# KiCad board PC110.kicad_pcb (continued)
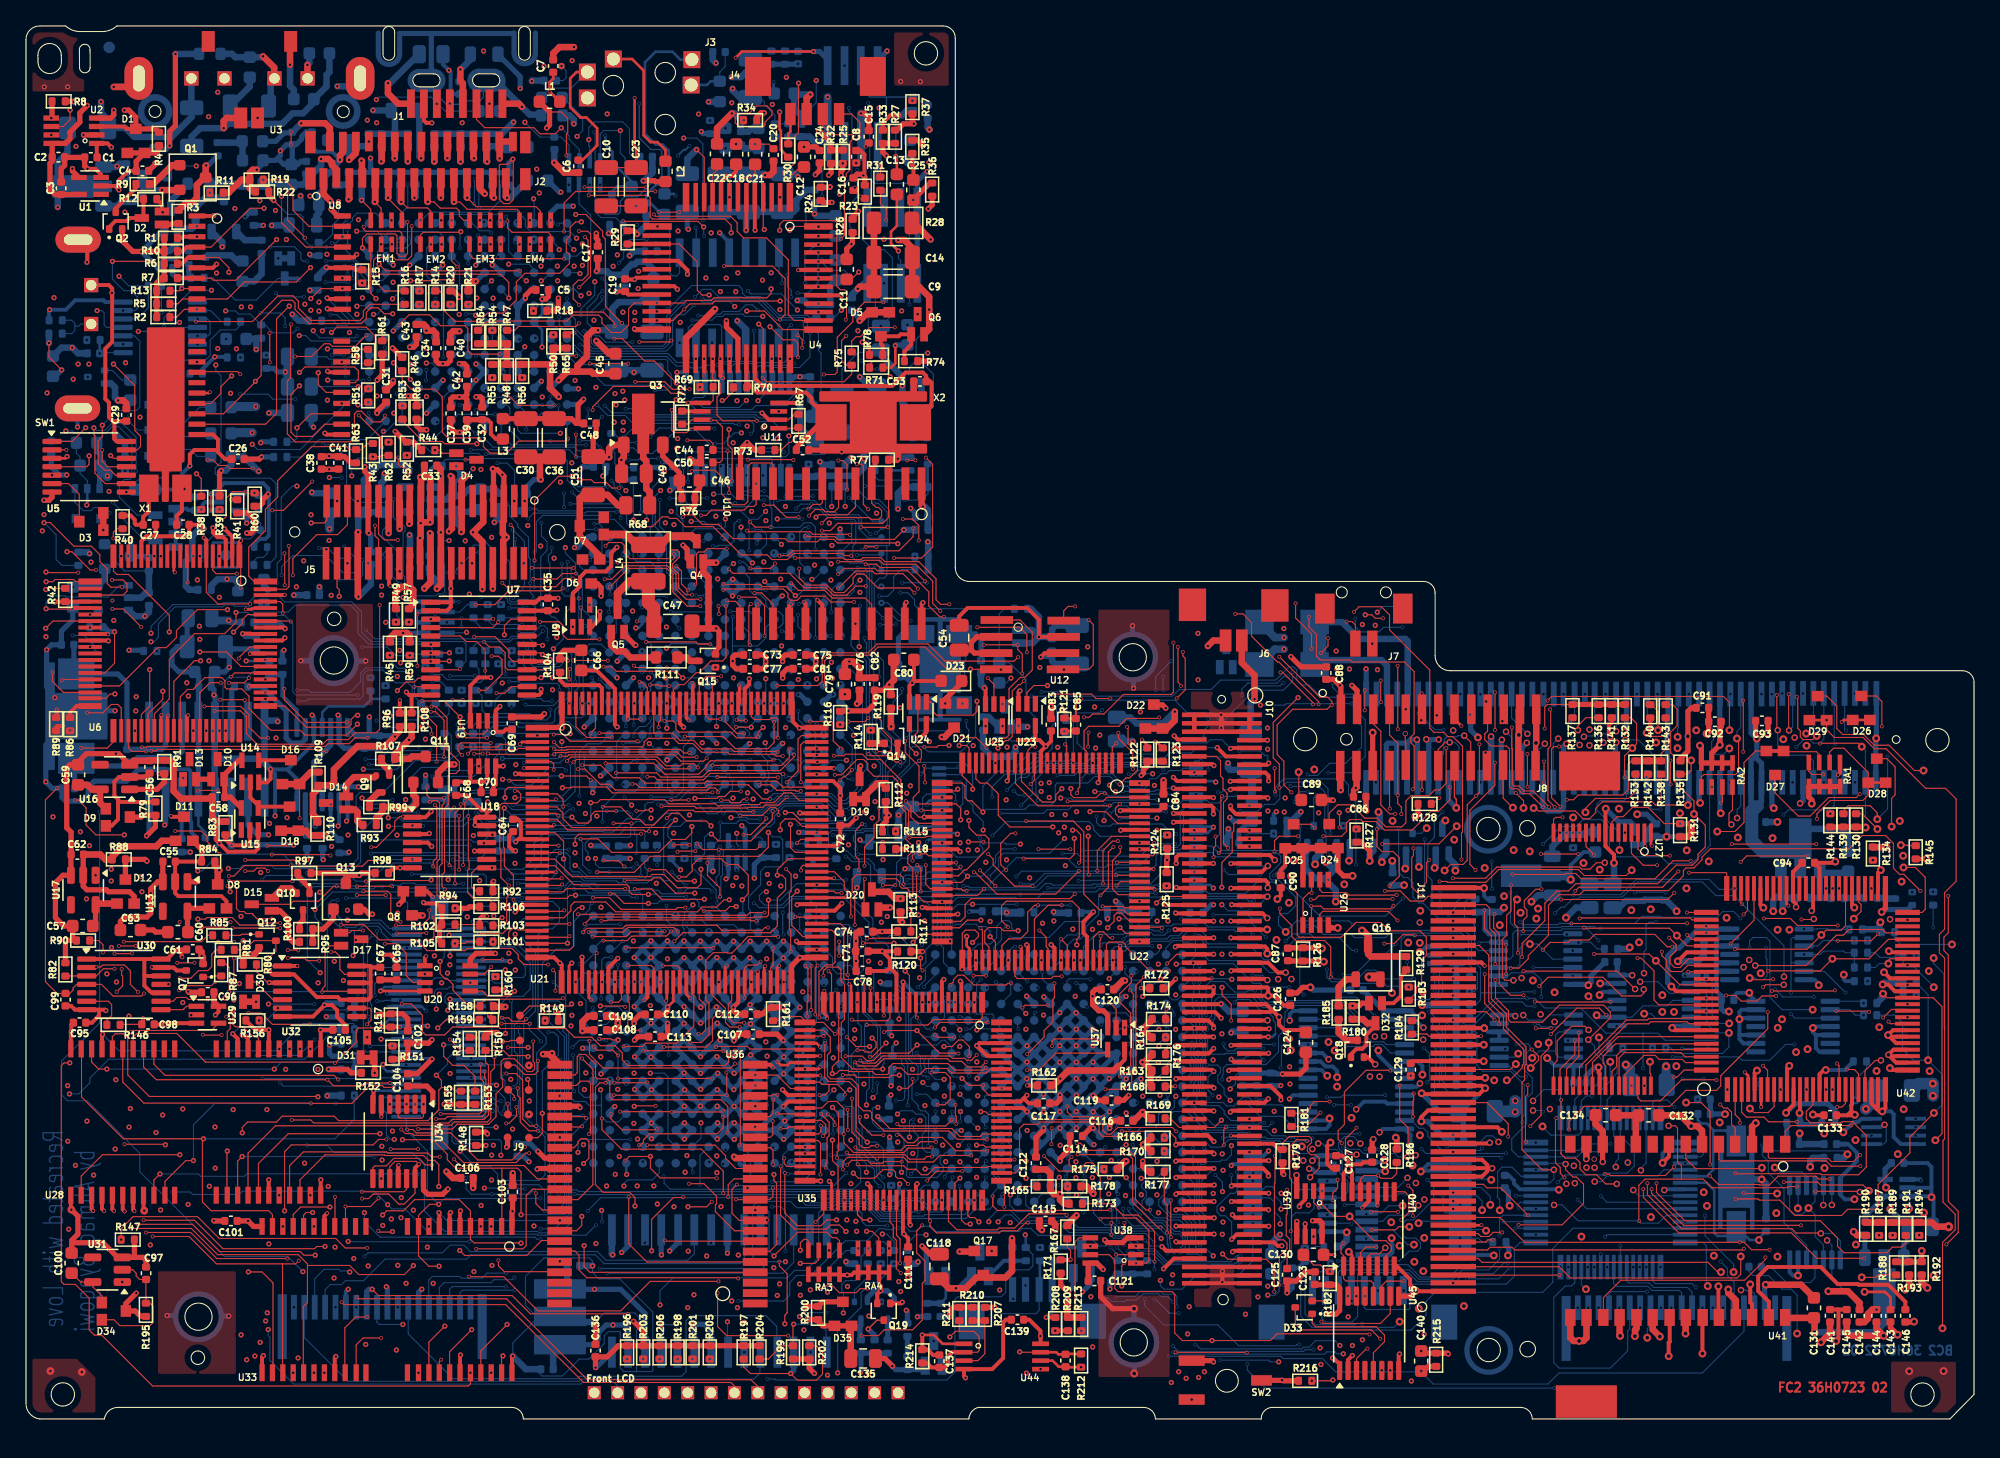
[diagram p0: board, top side]
## Routing (per net, layer and track width the routed paths; a pad name or vN(x,y) marks a point on that pad's centre or on a via; arc(x,y) is an arc through that point) (continued)
  IC4 w0.08: v1(87.96,38.37) 89.78,38.37 90.8,37.35 90.8,27.73 91.04,27.49 91.04,26.66 91.88,25.82 v1(91.88,24.81)
  BC1 w0.08: v1(91.88,24.81) 91.88,24.22 91.95,24.15 91.95,23.52 91.51,23.08 91.51,22.89 90.77,22.15 v7(90.16,22.15)
  BC2 w0.08: 89.08,21.84 89.85,21.84 v7(90.16,22.15)
/PCMCIA/BCIOWR#: length 28.6
  FC2 w0.08: J10.93 87.58,40.26 v1(87.08,39.76)
  IC1 w0.08: v1(82.15,37.73) 82.22,37.73 82.59,37.36 86.01,37.36 86.53,37.88 86.53,38.68 87.08,39.23 v1(87.08,39.76)
  BC1 w0.08: v7(85.57,24.36) 85.57,25 85.13,25.44 84.08,25.44 83.93,25.59 81.69,25.59 81.37,25.91 81.37,27.58 80.41,28.54 80.41,32.93 80.67,33.19 80.96,33.19 81.21,33.44 81.21,35.81 81.59,36.19 81.59,36.7 82.15,37.26 v1(82.15,37.73)
  BC2 w0.08: 85.27,24.38 85.29,24.36 v7(85.57,24.36)
/PCMCIA/BINPACK#: length 35.7
  FC2 w0.08: v3(84.28,26.39) 84.58,26.69 85.03,26.69 85.29,26.95 85.29,32.78 v3(85.04,33.03) ; v1(88.57,21.13) 88.57,21.65 88.48,21.74 88.47,21.74 88.05,22.16 v3(84.43,22.16)
  FC2 w0.3: J10.123 88.65,21.21 v1(88.57,21.13) ; v3(85.87,33.19) R172.1
  FC1 w0.08: v1(88.57,21.13) 89.12,20.58 89.12,18.37 90.11,17.38 v1(91.45,17.38) ; v3(84.28,26.39) 84.28,22.62 84.43,22.47 v3(84.43,22.16) ; v3(85.04,33.03) 85.29,33.03 85.45,33.19 v3(85.87,33.19)
  BC1 w0.08: v1(91.45,17.38) 90.81,17.38 90.44,17.75 88.36,17.75 87.22,16.61 86.66,16.61 86.4,16.35 85.54,16.35 85.1,15.91 84.29,15.91 84.11,16.09 v7(84.11,17.33)
  BC2 w0.2: 84,18.03 84,17.44 v7(84.11,17.33)
/PCMCIA/BOE#: length 37.1
  FC2 w0.3: J10.88 88.77,43.46 88.6,43.29 v1(88.6,42.81)
  IC2 w0.08: v1(80.06,42.64) 86.31,42.64 86.33,42.62 86.39,42.62 86.54,42.47 88.26,42.47 v1(88.6,42.81)
  BC1 w0.08: v7(86.45,23.03) 86.27,23.21 85.86,23.21 84.91,24.16 84.69,24.16 84.36,24.49 79.45,24.49 79.14,24.8 79.14,33.55 80.06,34.47 v1(80.06,42.64)
  BC2 w0.08: 86.54,23.11 86.46,23.03 v7(86.45,23.03)
/PCMCIA/BRDY: length 54.2
  FC2 w0.3: J10.102 91.45,34.51 v1(91.48,34.54)
  FC1 w0.08: v3(87.68,21.67) 87.61,21.67 87.22,21.28 87.22,20.38 87.77,19.83 87.77,18.92 88.49,18.2 88.62,18.2 90.64,16.18 v1(92.15,16.18)
  IC2 w0.08: v1(91.48,34.54) 87.02,34.54 86.58,34.98 84,34.98 84.05,35.03 82.95,33.93 82.95,22.07 84.55,20.47 89.25,20.47 90.19,19.53 90.19,15.88 91.34,14.73 92.96,14.73 93.39,15.16 93.39,15.99 93.2,16.18 v1(92.15,16.18)
  BC1 w0.08: v7(89.68,16.11) 89.96,16.11 90.25,15.82 91.14,15.82 91.5,16.18 v1(92.15,16.18)
  BC2 w0.08: v7(89.68,16.11) 89.68,17.02 89.08,17.62 89.08,18
/PCMCIA/BREG#: length 12.4
  FC2 w0.3: J10.125 88.61,19.91 v1(88.56,19.86)
  IC4 w0.08: v1(88.56,19.86) 89.03,20.33 89.03,25.22 88.76,25.49 88.33,25.49 88.1,25.72 88.1,27.92 v1(87.27,28.75)
  BC2 w0.08: 87.81,29.46 87.27,28.92 v1(87.27,28.75)
/PCMCIA/BRESET: length 18.4
  FC2 w0.3: J10.119 91.46,23.76 v1(91.49,23.73)
  IC1 w0.08: v1(87.35,24.94) 88.51,23.78 91.35,23.78 91.4,23.73 v1(91.49,23.73)
  IC4 w0.08: v1(87.23,15.89) 87.75,16.41 87.75,20.37 87.32,20.8 87.32,24.91 v1(87.35,24.94)
  BC1 w0.08: v7(85.78,15.73) 86.74,15.73 86.9,15.89 v1(87.23,15.89)
  BC2 w0.08: v7(85.78,15.73) 85.27,16.24 85.27,16.76
/PCMCIA/BVPP: length 25
  FC2 w0.3: J10.106 92.03,31.96 v1(92.06,31.99) ; J10.107 91.59,31.36 v1(92.06,30.89)
  IC1 w0.8: 98.59,23.71 99.9,25.02 99.9,26.12 100.18,26.4
  IC1 w1: v1(96.14,23.71) 98.59,23.71
  IC2 w0.9: v1(92.06,31.99) v1(92.06,30.89) 93.31,30.89 94.27,29.93 94.27,24.57 95.13,23.71 v1(96.14,23.71)
  BC2 w0.3: U70.23 99.78,26.9 v2(100.23,26.45)
  BC2 w0.5: v1(92.06,31.99) 92.66,31.4 C273.1
/PCMCIA/BWAIT: length 16.8
  FC2 w0.08: v1(92.08,23.02) 91.52,22.46 J10.121 88.84,22.46 88.14,23.16 R169.2
  BC1 w0.08: v7(84.19,19.85) 84.19,20.1 84.59,20.5 86.05,20.5 86.47,20.92 88.26,20.92 88.47,20.71 89.59,20.71 89.74,20.56 90.94,20.56 91.29,20.91 92.01,20.91 92.62,21.52 92.62,21.86 92.08,22.4 v1(92.08,23.02)
  BC2 w0.08: 84,19.3 84.19,19.49 v7(84.19,19.85)
/PCMCIA/BWE#: length 106.7
  FC2 w0.08: v3(87.91,35.09) 88.63,35.81 J10.100 ; v3(74.04,20.67) 71.61,20.67 70.58,21.7 68.8,21.7 68.39,21.29 67.89,21.29 67.29,21.89 v3(67.09,21.89) ; v3(83.14,25.4) 84.59,25.4 85.17,25.98 85.17,26.54 85.49,26.86 85.49,33.42 v3(86.13,34.06) ; v3(81.94,19.34) 81.7,19.1 79.57,19.1 v3(78.42,20.25)
  FC2 w0.3: J10.100 v1(91.48,35.81)
  FC1 w0.08: v3(74.04,20.67) 78,20.67 v3(78.42,20.25) ; v3(83.14,25.4) 83.15,25.39 83.15,24.9 82.41,24.16 81.99,24.16 81.79,23.96 81.79,19.96 81.94,19.81 v3(81.94,19.34) ; v3(67.09,21.89) 66.79,22.19 64.85,22.19 64.42,21.76 64.42,19.25 64.14,18.97 64.14,16.7 63.63,16.19 62.51,16.19 61.94,15.62 61.94,14.24 62.64,13.54 62.64,10.03 63.57,9.1 63.57,8.09 62.83,7.35 59.71,7.35 59.58,7.48 v1(59.58,7.89) ; v3(87.91,35.09) 87.42,34.6 87.13,34.6 86.59,34.06 v3(86.13,34.06)
  BC1 w0.08: v7(67.76,16.48) 68.23,16.95 68.23,18.82 v7(68.16,18.89) ; v7(61.56,16.96) 61.56,11.3 62.21,10.65 62.21,9.16 61.62,8.57 v7(61.62,8.19) ; v7(68.36,22.68) 68.61,22.68 68.69,22.6 69.38,22.6 70.03,23.25 72.48,23.25 72.7,23.03 74.43,23.03 74.6,22.86 77.67,22.86 77.92,22.61 77.92,22.32 78.27,21.97 83.51,21.97 v7(84.02,22.48)
  BC2 w0.08: v7(84.02,22.48) 84,22.5 84,23.11 ; v7(68.36,22.68) 68.36,22.17 68.7,21.83 68.7,20.27 68.61,20.18 68.61,19.34 v7(68.16,18.89) ; v1(59.58,7.89) 59.88,8.19 v7(61.62,8.19) ; v7(67.76,16.48) 67.26,15.98 66.09,15.98 64.9,17.17 62.01,17.17 61.8,16.96 v7(61.56,16.96)
/PCMCIA/BWP: length 26.8
  FC2 w0.3: J10.136 87.82,12.96 v1(87.5,13.28)
  FC1 w0.08: v1(87.5,13.28) 86.98,13.28 86.65,13.61 86.65,14.65 85.67,15.63 84.54,15.63 83.66,16.51 80.98,16.51 80.24,17.25 v3(80.24,17.92)
  BC1 w0.08: v7(80.09,18.68) 80.09,18.85 79.9,19.04 79.4,19.04 78.85,18.49 78.85,17.08 81.17,14.76 82.7,14.76 82.83,14.63 85.33,14.63 v7(86.2,13.76)
  BC2 w0.08: v7(80.09,18.68) 80.19,18.78 80.19,19.3 ; v7(86.2,13.76) 86.63,13.33 87.45,13.33 v1(87.5,13.28)
/Power/M38_COM0: length 110.9
  FC2 w0.08: U6.77 19.58,62.99 19.78,62.79 v3(19.78,62.12)
  FC1 w0.08: v1(18.08,42.11) 17.64,42.55 17.64,44.72 17.76,44.84 17.76,56.28 17.26,56.78 17.03,56.78 16.84,56.97 16.84,57.61 17.55,58.32 17.55,60.53 19.14,62.12 v3(19.78,62.12)
  IC3 w0.08: v1(18.46,7.55) 19.52,7.55 20.79,6.28 26.76,6.28 26.8,6.24 26.94,6.24 27.17,6.01 38.07,6.01 38.9,5.18 44.66,5.18 45.14,4.7 65.41,4.7 66.07,4.04 66.07,3.12 U43.14
  IC4 w0.08: v1(18.08,42.11) 18.02,42.05 18.02,7.71 18.18,7.55 v1(18.46,7.55)
/Power/M38_COM1: length 109.3
  FC2 w0.2: U6.76 18.41,62.46 17.41,62.46 17.34,62.39 v3(16.93,62.39)
  FC1 w0.08: v1(26.17,5.74) 26.17,6.31 25.99,6.49 25.99,14.55 25.5,15.04 25.5,17.62 25.63,17.75 25.63,19.96 25.33,20.26 25.33,25.36 25.52,25.55 25.52,32.7 26.5,33.68 26.5,37.41 27.33,38.24 27.33,39.38 27.08,39.63 27.08,44.65 26.5,45.23 26.5,45.88 25.45,46.93 23.24,46.93 22.52,47.65 22.52,52.99 21.63,53.88 21.63,61.55 20.77,62.41 16.95,62.41 v3(16.93,62.39)
  IC3 w0.08: U43.13 65.37,3.97 64.86,4.48 44.95,4.48 44.46,4.97 38.61,4.97 37.79,5.79 26.22,5.79 v1(26.17,5.74)
/Power/M38_COM2: length 106.2
  FC2 w0.08: v1(15.99,60.64) 16.64,61.29 16.64,61.57 17.06,61.99 U6.75
  IC2 w0.08: v1(15.99,60.64) 15.99,58.61 16.78,57.82 16.78,45.06 17.45,44.39 17.45,41.79 18.04,41.2 v1(18.04,5.9)
  IC3 w0.08: U43.12 62.7,2.89 58.46,2.89 58.05,3.3 45.06,3.3 45.05,3.29 42.34,3.29 41.98,2.93 23.71,2.93 20.74,5.9 v1(18.04,5.9)
/Power/M38_COM3: length 102.3
  FC2 w0.08: U6.74 20.36,61.49 v3(20.4,61.45)
  FC1 w0.08: U43.11 61.77,2.55 61.36,2.96 27.39,2.96 25.81,4.54 25.81,14.15 25.31,14.65 25.31,17.73 25.45,17.87 25.45,19.76 25.16,20.05 25.16,25.52 25.33,25.69 25.33,32.89 26.3,33.86 26.3,37.56 27.14,38.4 27.14,39.21 26.89,39.46 26.89,44.52 26.32,45.09 26.32,45.67 25.27,46.72 22.12,46.72 20.47,48.37 20.47,59.2 20.78,59.51 20.78,61.07 v3(20.4,61.45)
/Power/M38_P10_R413: length 4.5
  BC1 w0.08: v7(70.57,4.1) 68.61,4.1 v7(67.89,4.82)
  BC2 w0.4: v7(67.89,4.82) R413.1
/Power/M38_P11_R167: length 7
  FC2 w0.08: v3(80.46,12.29) 80.46,12.98 80.21,13.23 R167.1
  FC2 w0.3: v3(80.46,12.29) 80.43,12.26 R171.2
  FC1 w0.08: v3(80.46,12.29) 81.38,11.37 v1(81.38,9.8)
  BC2 w0.4: v1(81.38,9.8) 81.97,10.39 Q39.3
/Power/M38_P12_R407: length 3.3
  BC2 w0.2: R408.2 70.85,9.31 Q41.3
  BC2 w0.4: R408.2 R407.2
/Power/M38_P13_R390: length 3.4
  BC2 w0.3: Q40.3 75.32,12.19 R385.1 R390.1
/Power/M38_SEG0: length 84.1
  FC2 w0.08: v3(16.39,58.6) 16.39,58.66 17.22,59.49 U6.70
  FC1 w0.08: U43.1 41.67,2.02 41.19,2.5 20.68,2.5 19.15,4.03 19.15,8.47 18.01,9.61 18.01,29.85 17.62,30.25 17.62,31.73 17.37,31.97 17.37,34.78 17.93,35.34 17.93,39.23 16.55,40.61 16.55,53.64 16.54,53.65 16.54,57.61 16.39,57.76 16.39,58.59
/Power/M38_SEG1: length 86.8
  FC2 w0.3: v3(17.25,58.96) 17.28,58.99 U6.69
  FC1 w0.08: v3(17.25,58.96) 17.21,58.92 16.24,58.92 16.1,58.78 16.1,57.59 16.35,57.34 16.35,40.49 17.73,39.11 17.73,35.45 17.18,34.9 17.18,31.86 17.43,31.61 17.43,30 17.81,29.62 17.81,7.21 18.13,6.89 v1(18.66,6.89)
  BC2 w0.08: U43.2 45.57,2.55 45.29,2.83 42.85,2.83 42.71,2.69 20.62,2.69 18.79,4.52 18.79,6.29 18.66,6.42 v1(18.66,6.89)
/Power/M38_SEG2: length 108.4
  FC2 w0.08: v3(20.39,42.66) 20.37,42.64 16.82,42.64 16.02,41.84 v3(15.63,41.84) ; v3(11.5,45.31) 13.5,45.31 13.95,44.86 13.95,44.51 v3(14.92,43.54)
  FC1 w0.08: v3(18.44,58.49) 20.21,56.72 20.21,48 21.6,46.61 21.6,43.87 v3(20.39,42.66) ; v12(9.48,36.39) 9.48,38.91 11.5,40.93 v3(11.5,45.31) ; v3(14.92,43.54) 14.92,42.88 14.5,42.46 14.5,42.07 14.8,41.77 15.1,41.77 15.17,41.84 v3(15.63,41.84)
  IC2 w0.08: U43.3 47.37,3.53 46.23,4.67 39.37,4.67 37.87,3.17 21.32,3.17 19.08,5.41 16.89,5.41 15.19,7.11 15.19,15.61 13.5,17.3 12.61,17.3 9.59,20.32 9.59,36.28 v12(9.48,36.39)
/Power/M38_SEG3: length 103.3
  FC2 w0.08: v1(13.39,59.11) 15.44,59.11 16.56,57.99 U6.67
  IC4 w0.08: U43.4 49.17,3.07 48.79,3.45 12.89,3.45 11.28,5.06 11.28,15.59 11.1,15.77 11.1,23 11.27,23.17 11.27,32.5 10.72,33.05 10.72,36.56 8.18,39.1 8.18,46.74 11.24,49.8 11.24,57.54 12.81,59.11 v1(13.39,59.11)
/Power/M38_SEG4: length 94
  FC2 w0.08: U6.66 16.08,57.49 v3(15.78,57.19) ; v3(14.6,38.3) 15.75,38.3 v3(15.76,38.29)
  FC1 w0.08: v1(17.63,4.84) 17.63,26.05 14.54,29.14 14.54,29.93 13.58,30.89 13.58,34.13 14.39,34.94 14.39,37.15 14.6,37.36 v3(14.6,38.3) ; v3(15.78,57.19) 16.14,56.83 16.14,39.35 15.76,38.97 v3(15.76,38.29)
  IC3 w0.08: v1(17.63,4.84) 17.63,4.12 19.29,2.46 42.31,2.46 42.77,2.92 50.07,2.92 U43.5
  IC4 w0.08: U43.5 50.96,2.02
/Power/M38_SEG5: length 84.9
  FC1 w0.08: v3(18.44,56.99) 18.91,56.52 18.91,53.42 19.26,53.07 v1(19.26,52.48)
  IC2 w0.08: v1(19.26,52.48) 20.06,52.48 21.63,50.91 21.63,43.88 21.99,43.52 23.47,43.52 24.36,42.63 24.36,37.78 23.42,36.84 23.42,33.16 23.98,32.6 23.98,14.65 24.41,14.22 24.41,9.33 28.02,5.72 51.19,5.72 52.77,4.14 U43.6
/Power/M38_SEG6: length 88.5
  FC2 w0.08: v3(24.32,8.99) 24.5,8.81 36.95,8.81 42.95,2.81 54.3,2.81 54.57,2.54 U43.7
  FC2 w0.3: v3(17.16,56.44) 17.21,56.49 U6.64
  FC1 w0.08: v3(17.16,56.44) 17.16,50.97 17.32,50.81 17.32,41.67 18.39,40.6 18.39,35.6 19.71,34.28 19.71,30.87 19.14,30.3 19.14,28.18 19.59,27.73 23.98,27.73 24.11,27.6 24.11,26.72 23.76,26.37 23.76,25.71 24.32,25.15 v3(24.32,8.99)
/Power/M38_SEG7: length 87.7
  FC2 w0.08: v3(25.47,9.38) 25.51,9.38 25.63,9.26 37.01,9.26 43.25,3.02 55.85,3.02 56.37,2.5 U43.8
  FC1 w0.08: v3(18.44,55.99) 17.99,55.54 17.99,48.32 19.72,46.59 19.72,45.38 19.53,45.19 19.53,39.84 20.6,38.77 20.6,29.46 19.89,28.75 19.89,28.27 20.18,27.98 24.15,27.98 24.51,27.62 24.51,25.64 24.81,25.34 24.81,17.01 24.95,16.87 24.95,14.36 25.33,13.98 25.33,13.47 24.74,12.88 24.74,12.18 25.47,11.45 v3(25.47,9.38)
/Power/M38_SEG8: length 92.4
  FC1 w0.08: v3(18.44,55.49) 18.44,54.91 18.32,54.79 18.32,49.63 19.62,48.33 19.62,47.34 20.11,46.85 v1(20.11,46.34)
  IC2 w0.08: v1(20.11,46.34) 20.2,46.25 20.2,43.8 23.14,40.86 23.14,38.92 20.96,36.74 v1(20.96,4.7)
  IC3 w0.08: v1(20.96,4.7) 22.95,2.71 42.09,2.71 42.1,2.72 42.15,2.72 42.54,3.11 57.08,3.11 U43.9
/Power/M38_SEG9: length 90.7
  FC2 w0.08: v1(25.55,54.23) 25.37,54.23 25.04,53.9 25.04,53.52 24.83,53.31 21.59,53.31 19.96,54.94 U6.61
  IC2 w0.08: v1(25.55,54.23) 27,52.78 27,39.94 26.25,39.19 26.25,33.52 24.71,31.98 24.71,15.87 28.06,12.52 37.82,12.52 44.32,6.02 58.36,6.02 59.97,4.41 U43.10
/Power/Touch_X+: length 8.3
  FC2 w0.08: v1(74.62,8.61) 74.61,8.6
  FC2 w0.4: 74.61,8.6 R207.2
  BC2 w0.08: J18.2 78.04,8.36 77.79,8.11 75.12,8.11 v1(74.62,8.61)
  BC2 w0.2: J18.2 78.1,10.04 R386.1
/Power/Touch_X-: length 8.2
  BC1 w0.2: v9(70.2,12.92) 71.48,11.64 75.64,11.64 v9(76.99,10.29)
  BC2 w0.2: v9(76.99,10.29) J18.3
/Power/Touch_Y+: length 5.3
  FC2 w0.3: v1(78.59,7.83) 79.27,7.83 R208.2
  BC2 w0.2: R388.1 79.1,10.04 J18.1
  BC2 w0.3: v1(78.59,7.83) 79.04,8.28 J18.1
/Power/Touch_Y-: length 8.5
  BC1 w0.2: v9(69.92,6) 69.92,7.83 71.34,9.25 v9(76.04,9.25)
/Power/U32_R: length 14.5
  FC2 w0.08: v3(23.51,35.99) 23.84,35.99 24.18,35.65 24.18,34.63 24.55,34.26 U32.13 ; U32.1 18.85,34.91 18.61,35.15 18.61,35.42 19.25,36.06 Q12.3 19.24,36.86 17.56,36.86 17.01,36.31 16.79,36.31 16.63,36.15 R81.2
  FC2 w0.3: v3(20.9,34.91) U32.1
  FC1 w0.08: v3(20.9,34.91) 20.9,35.46 21.43,35.99 v3(23.51,35.99)
/Power/U54_Q: length 108.3
  FC2 w0.3: v3(11.17,46.46) 11.23,46.41 D11.2
  FC1 w0.08: v1(15.76,79.04) 14.59,77.87 14.59,72.61 15.3,71.9 15.3,69.47 14.88,69.05 14.88,68.1 14.03,67.25 13.06,67.25 12.56,66.75 12.56,66.31 12.98,65.89 20.78,65.89 21.1,65.57 23.22,65.57 24.19,66.54 25.76,66.54 v3(26.36,65.94) ; v3(11.17,46.46) 11.2,46.43 11.2,42.9 v1(8.93,40.63)
  IC1 w0.08: v1(15.76,79.04) 10.21,79.04 9.12,80.13 8.15,80.13 ; v1(7.17,88.06) 8.16,87.07 8.16,80.14 8.15,80.13 ; v1(3.64,80.13) 8.15,80.13
  IC2 w0.08: v1(3.64,80.13) 1.95,78.44 1.95,76.66 4.24,74.37 4.24,72.32 5.87,70.69 5.87,50.89 8.5,48.26 8.5,41.05 8.92,40.63 v1(8.93,40.63)
  BC2 w0.08: 7.48,84.77 8.58,84.77 9.42,85.61 R235.2 7.91,87.32 v1(7.17,88.06)
/VGA Controller/LCD_24: length 11.8
  FC2 w0.5: v1(34.51,97.15) 34.46,97.2 J2.24
  FC1 w0.08: v1(34.51,97.15) 34.77,96.89 34.77,93.99 35.09,93.67 36.78,93.67 37.42,93.03 39.09,93.03 39.75,92.37 v3(40.42,92.37)
  BC2 w0.08: v1(34.51,97.15) 34.5,97.16
  BC2 w0.5: 34.5,97.16 C174.1
/VGA Controller/LCD_B0: length 8.3
  FC2 w0.08: v1(25.85,93.92) 26.56,93.22 EM1.4
  FC1 w0.08: v1(25.85,93.92) 25.85,95.14 25.28,95.71 25.28,97.31 v3(26.41,98.44)
  BC2 w0.08: v1(25.85,93.92) 25.86,93.93
  BC2 w0.5: 25.86,93.93 C173.1
/VGA Controller/LCD_B1: length 4.8
  FC2 w0.08: v1(26.87,93.79) 27.36,93.31 EM1.3
  FC2 w0.5: v1(26.87,93.79) 26.91,93.83 J2.9
  BC2 w0.5: v1(26.87,93.79) 26.87,95.1 C183.1
/VGA Controller/LCD_B2: length 7.6
  FC2 w0.5: J2.10 27.41,96.96 v1(27.36,96.91)
  FC1 w0.08: v3(28.16,92.37) 27.36,93.17 v1(27.36,96.91)
  BC2 w0.08: v1(27.36,96.91) 27.37,96.92
  BC2 w0.5: 27.37,96.92 C194.1
/VGA Controller/LCD_B3: length 4.7
  FC2 w0.08: v1(27.89,94.11) 27.89,94.06 28.96,93 28.96,92.37
  FC2 w0.5: J2.11 27.91,94.13 v1(27.89,94.11)
  BC2 w0.5: v1(27.89,94.11) 27.89,95.09 C181.1
/VGA Controller/LCD_B4: length 7.2
  FC2 w0.08: EM3.4 33.72,92.37 33.38,92.71 33.38,93.09 33.16,93.31 31.91,93.31 31.43,93.79 v1(30.95,93.79)
  FC2 w0.5: v1(30.95,93.79) 30.91,93.83 J2.17
  BC2 w0.5: v1(30.95,93.79) C180.1
/VGA Controller/LCD_G0: length 10
  FC2 w0.5: v1(31.45,96.9) 31.46,96.91 J2.18
  FC1 w0.08: v1(31.45,96.9) 31.45,93.76 32.11,93.1 33.03,93.1 33.5,92.63 34.71,92.63 v3(34.97,92.37)
  BC2 w0.08: v1(31.45,96.9) 31.46,96.91
  BC2 w0.5: 31.46,96.91 C182.1
/VGA Controller/LCD_G1: length 7.2
  FC2 w0.5: v1(31.96,94.11) J2.19
  FC1 w0.08: v1(31.96,94.11) 31.96,93.82 32.42,93.36 33.11,93.36 33.49,92.98 35.16,92.98 v3(35.77,92.37)
  BC2 w0.08: v1(31.96,94.11) 31.95,94.12
  BC2 w0.5: 31.95,94.12 C187.1
/VGA Controller/LCD_G2: length 9.8
  FC2 w0.5: v1(32.46,97.16) J2.20
  FC1 w0.08: v3(36.57,92.37) 36.57,92.49 35.82,93.23 33.9,93.23 33.45,93.68 33.45,96.17 v1(32.46,97.16)
  BC2 w0.08: v1(32.46,97.16) 32.48,97.18
  BC2 w0.5: 32.48,97.18 C186.1
/VGA Controller/LCD_G3: length 8.6
  FC2 w0.5: v1(28.4,97.15) 28.41,97.16 J2.12
  FC1 w0.08: v3(30.39,92.37) 30.18,92.58 29.73,92.58 29.44,92.87 28.65,92.87 28.4,93.12 v1(28.4,97.15)
  BC2 w0.08: v1(28.4,97.15) 28.41,97.16
  BC2 w0.5: 28.41,97.16 C191.1
/VGA Controller/LCD_G4: length 6.5
  FC2 w0.08: v1(28.91,93.79) 29.37,93.33 30.93,93.33 31.19,93.08 EM2.3
  FC2 w0.5: v1(28.91,93.79) J2.13
  BC2 w0.5: C184.1 28.79,95.1 28.79,93.91 v1(28.91,93.79)
/VGA Controller/LCD_R0: length 9.2
  FC2 w0.5: v1(29.41,96.91) J2.14
  FC1 w0.08: v3(31.98,92.37) 31.28,92.37 30.73,92.92 29.9,92.92 29.41,93.41 v1(29.41,96.91)
  BC2 w0.5: v1(29.41,96.91) C185.1
/VGA Controller/LCD_R1: length 6.6
  FC2 w0.08: v1(29.93,94.11) 29.91,94.13
  FC2 w0.5: 29.91,94.13 J2.15
  FC1 w0.08: v1(29.93,94.11) 29.93,93.33 30.16,93.1 31.38,93.1 31.73,92.76 32.16,92.76 32.54,92.37 v3(32.79,92.37)
  BC2 w0.5: v1(29.93,94.11) 30.02,94.2 C169.1
/VGA Controller/LCD_R2: length 9.2
  FC2 w0.08: EM4.4 38.02,93.04 37.83,93.22 33.99,93.22 33.43,93.78 v1(32.98,93.78) 32.96,93.8
  FC2 w0.5: 32.96,93.8 J2.21
  BC2 w0.08: v1(32.98,93.78) 32.99,93.79
  BC2 w0.5: 32.99,93.79 C196.1
/VGA Controller/LCD_R3: length 11.2
  FC2 w0.5: 33.46,96.91 33.45,96.92 33.45,98.43 J2.22
  FC1 w0.08: v1(33.48,96.89) 34.41,95.96 34.41,93.86 34.8,93.47 36.56,93.47 37.66,92.37 v3(38.82,92.37)
  BC2 w0.08: v1(33.48,96.89) 33.49,96.9
  BC2 w0.5: 33.49,96.9 C175.1
/VGA Controller/LCD_R4: length 9.3
  FC2 w0.08: v1(33.99,94.11) 34.68,93.43 39.28,93.43 39.62,93.09 EM4.2
  FC2 w0.5: v1(33.99,94.11) 33.96,94.14 J2.23
  BC2 w0.5: v1(33.99,94.11) C178.1
AEN: length 171.4
  FC2 w0.08: v3(62.78,51.66) 62.18,52.26 62.18,53.58 62.01,53.75 v3(60.4,53.75) ; v1(51.52,47.82) 53.21,47.82 53.36,47.97 53.84,47.97 54.23,48.36 v3(55.06,48.36) ; v3(70.57,39.85) 69.16,39.85 68.6,40.41 v3(68.6,42.03)
  FC1 w0.08: 56.37,54.22 55.41,54.22 55.02,53.83 55.02,48.4 v3(55.06,48.36) ; 56.37,54.22 56.37,55.14 v3(56.36,55.15) ; 56.37,54.22 56.54,54.22 57.39,53.37 57.88,53.37 58.26,53.75 v3(60.4,53.75) ; v1(68.87,22.99) 69.71,23.83 69.71,25.73 70.15,26.17 v1(70.72,26.17) 70.72,27.56 70.29,27.99 70.29,29.02 71.2,29.93 71.2,30.56 71.05,30.71 v3(71.05,32.11) 71.05,32.69 69.57,34.17 69.57,34.51 69.2,34.88 68.21,34.88 67.35,35.74 67.35,37.05 67.12,37.28 67.12,38.54 67.3,38.72 67.93,38.72 68.35,39.14 68.35,39.29 68.91,39.85 v3(70.57,39.85) ; v3(62.78,51.66) 62.78,50.63 63.16,50.25 63.16,49.73 64.66,48.23 64.66,47.97 64.86,47.77 64.86,47.34 66.1,46.1 68.6,46.1 69.05,45.65 70.28,45.65 71.08,44.85 71.08,43.47 69.64,42.03 v3(68.6,42.03)
  IC1 w0.08: v1(68.87,22.99) 68.11,22.23 63.48,22.23 62.97,21.72 62.97,20.87 63.71,20.13 69.37,20.13 70.58,18.92 70.58,18.3 71.12,17.76 82.44,17.76 82.75,17.45 82.75,17.2 85.14,14.81 85.14,14.24 87.32,12.06 94.43,12.06 95.45,11.04 107.28,11.04 v2(107.63,11.39)
  IC3 w0.08: v2(107.63,11.39) 109.49,13.25 132.61,13.25 133.35,12.51 133.41,12.51 134.08,11.84 138.8,11.84 140.4,13.44 v2(140.95,13.44)
  BC1 w0.08: v7(142.15,21.84) 142.16,21.84 142.61,21.38 142.61,14.5 141.55,13.44 v2(140.95,13.44) ; v7(51.86,48.91) 51.52,48.57 v1(51.52,47.82)
  BC2 w0.08: U74.K1 69.53,27.67 69.53,26.69 70.05,26.17 v1(70.72,26.17) ; v7(51.86,48.91) 51.29,48.91
BIOS_SA17: length 142.1
  FC2 w0.08: v4(114.57,33.8) 113.94,33.8 113.72,34.02 113.72,36.95 114.05,37.28 114.05,38.81 114.38,39.14 v3(114.38,41.13) ; v3(108.08,43.08) 107.87,42.87 107.87,41.34 v3(107.47,40.94) ; v3(105.26,40.07) 101.76,40.07 101.52,40.31 99.57,40.31 99.28,40.02 v3(98.96,40.02)
  FC1 w0.08: v3(98.96,40.02) 98.22,40.02 97.98,39.78 v2(97.28,39.78) ; v3(105.26,40.07) 106.53,40.07 107.4,40.94 v3(107.47,40.94) ; v1(54.36,9.09) 61.66,9.09 62.22,9.65 62.22,13.4 61.34,14.28 61.34,15.8 62.4,16.86 v3(63.05,16.86) ; v3(114.38,41.13) 114.38,41.36 112.7,43.04 111.25,43.04 110.85,43.44 110.35,43.44 109.99,43.08 v3(108.08,43.08)
  IC2 w0.08: v1(54.36,9.09) 56.29,11.02 56.29,13.34 59.82,16.87 75.17,16.87 75.58,16.46 79.9,16.46 80.26,16.1 81.75,16.1 82.78,15.07 86.14,15.07 87.05,14.16 87.05,13.01 88.28,11.78 89.16,11.78 90.01,10.93 93.96,10.93 94.42,11.39 106.96,11.39 107.41,11.84 108.48,11.84 110.79,14.15 110.79,18.55 112.67,20.43 113.47,20.43 114.32,21.28 114.32,22.67 114.11,22.89 114.11,25.27 114.53,25.69 114.53,26.33 114.07,26.79 114.07,33.3 v4(114.57,33.8)
  BC1 w0.08: v7(96.5,40.99) 97.28,40.21 v2(97.28,39.78)
  BC2 w0.08: U59.40 90.93,40.65 91.1,40.48 93.93,40.48 94.82,41.37 96.12,41.37 v7(96.5,40.99)
Bowman1: length 36.5
  FC2 w0.08: v3(45.26,45.9) v3(46.63,45.9)
  FC1 w0.08: v3(45.36,33.67) 45.14,33.89 45.14,35.84 45.31,36.01 45.31,45.85 v3(45.26,45.9) ; v3(46.63,45.9) 46.63,47.28 v1(46.65,47.3)
  BC1 w0.08: v7(46.1,47.9) 46.7,48.5 46.7,49.95 46.55,50.1 46.55,51 46.81,51.26 v7(46.81,52.62) ; v7(50.44,55.86) 50.44,55.35 49.39,54.3 48.97,54.3 48.66,53.99 v7(48.11,53.99) ; v7(55.75,56.46) 58.38,56.46 58.91,56.99 v7(58.91,57.55)
  BC2 w0.08: v7(48.11,53.99) 48.11,53.74 47.73,53.36 47.25,53.36 46.81,52.92 v7(46.81,52.62) ; v7(46.1,47.9) 46.65,47.35 v1(46.65,47.3) ; v7(50.44,55.86) 55.63,55.86 55.75,55.98 v7(55.75,56.46)
Bowman2: length 22.4
  FC2 w0.08: v1(50.59,57.11) 50.08,57.62 45.46,57.62 45.11,57.97 v3(44.49,57.97)
  FC1 w0.08: v3(44.49,57.97) 44.49,56.28 v3(43.36,55.15)
  BC1 w0.08: v7(52.88,57.2) 52.88,58.7 53.55,59.37 55.54,59.37 v7(55.72,59.19) ; v7(59.57,58.08) 59.43,57.94 56.78,57.94 56.38,58.34 v7(55.72,58.34)
  BC2 w0.08: v7(59.57,58.08) 59.85,57.8 60.18,57.8 ; v7(55.72,59.19) v7(55.72,58.34) ; v7(52.88,57.2) 52.79,57.11 v1(50.59,57.11)
Bowman3: length 47.4
  FC2 w0.4: R149.2 41.01,31.21 v1(40.79,31.43)
  IC1 w0.08: v1(40.56,56.19) 40.63,56.26 60.03,56.26 60.8,57.03 v1(60.89,57.03)
  IC4 w0.08: v1(40.79,31.43) 40.79,33.14 40.46,33.47 40.46,35.7 40.51,35.75 40.51,56.11 40.52,56.12 40.52,56.15 v1(40.56,56.19)
  BC2 w0.08: v1(60.89,57.03) 60.89,57.05 61.45,57.61 61.45,57.8
Bowman4: length 41.8
  FC2 w0.08: v3(49.36,46.3) 49.74,46.68 50.29,46.68 50.89,46.08 52.4,46.08 v1(52.77,45.71)
  FC1 w0.08: v3(49.36,46.3) 49.36,40.72 48.64,40 48.64,34.69 48.86,34.47 v3(48.86,33.67)
  BC1 w0.08: v7(52.78,47) 52.77,46.99 v1(52.77,45.71)
  BC2 w0.08: 62.72,57.8 63.49,57.8 64.43,56.86 64.43,52.52 63.89,51.98 63.89,50.09 64.03,49.95 64.03,48.58 63.11,47.66 62.58,47.66 62.05,48.19 57.57,48.19 57.07,47.69 57.07,47.34 56.68,46.95 55.63,46.95 55.25,47.33 53.54,47.33 53.21,47 v7(52.78,47)
Bowman5: length 60.1
  FC2 w0.08: 48.36,55.15 48.36,52.85 48.48,52.85 ; v3(35.99,61.65) 35.98,61.64 v3(31.18,61.64) ; v3(57.91,51.41) 57.88,51.44 54.52,51.44 54.32,51.64 52.07,51.64 51.41,52.3 50.37,52.3 49.82,52.85 48.48,52.85 ; 48.48,52.85 v3(44.17,52.85) ; v3(62.69,49.21) 62.97,49.49 63.1,49.49 v3(63.63,50.02)
  FC1 w0.08: v3(57.91,51.41) 57.91,50.49 58.28,50.12 60.99,50.12 61.9,49.21 v3(62.69,49.21) ; v1(67.84,48.22) 65.43,48.22 v3(63.63,50.02) ; v3(29.5,61.41) 29.73,61.64 v3(31.18,61.64) ; v3(44.17,52.85) 44.17,53.43 42.54,55.06 42.54,56.81 41.95,57.4 41.75,57.4 41.15,58 38.15,58 35.99,60.16 v3(35.99,61.65)
  BC1 w0.08: v7(63.45,49.75) 67.81,49.75 67.84,49.72 67.89,49.72 68.57,49.04 68.57,48.54 68.25,48.22 v1(67.84,48.22)
  BC2 w0.08: v7(63.45,49.75) 63.48,49.78 63.48,50.47 63.64,50.63 63.64,51.8 62.72,52.72
Bowman5_Buff: length 44.2
  FC2 w0.08: 38.6,61.64 37.36,61.64 36.85,61.13 v1(36.85,60.43)
  IC1 w0.08: v1(34.46,44.96) 34.52,45.02 35.61,45.02 36.23,45.64 50.45,45.64 50.87,45.22 51.72,45.22 52.04,45.55 52.04,46.01 52.27,46.24 53.26,46.24 54.37,45.13 v1(54.75,45.13)
  IC2 w0.08: v1(34.46,44.96) 36.22,46.72 36.22,50.76 37.65,52.19 37.65,59.59 36.85,60.39 v1(36.85,60.43)
  BC1 w0.08: v7(54.94,44.04) 55.39,43.59 v7(55.39,43.45)
  BC2 w0.08: v7(54.94,44.04) 54.94,44.11 54.75,44.3 v1(54.75,45.13) ; v7(55.39,43.45) 55.39,42.85 U60.1
Bowman_Audio_Vol_Dn: length 45.9
  FC2 w0.08: v3(51.55,64.31) 51.65,64.41 51.65,66.66 51.8,66.81 52.22,66.81 52.48,67.07 v3(53.97,67.07) ; v3(54.16,71.38) 54.16,71.76 54.04,71.88 v3(54.04,74.59)
  FC1 w0.08: v3(54.16,71.38) 54.16,70.79 54.26,70.69 54.26,67.35 54.25,67.35 v3(53.97,67.07) ; v3(51.55,64.31) 50.98,64.31 50.3,63.63 50.3,57.52 50.16,57.38 50.16,56.92 50.38,56.7 50.38,56.17 v3(49.36,55.15) ; v1(55.55,76.51) 54.98,76.51 54.04,75.57 v3(54.04,74.59)
  IC1 w0.08: v1(55.55,76.51) 56.04,77 61.86,77 64.95,80.09 64.95,83.5 64.59,83.86 v1(64.08,83.86)
  BC1 w0.08: v1(64.08,83.86) 64.85,84.63 64.85,86.27 v7(66.1,87.52)
Bowman_Audio_Vol_Up: length 54.7
  FC2 w0.08: v3(61.46,80.49) 62.3,80.49 62.49,80.68 62.49,83.36 63.69,84.56 63.69,85.16 64.59,86.06 v3(66.04,86.06) ; v3(55.55,68.46) 55.64,68.37 60.4,68.37 60.59,68.18 63.43,68.18 v3(63.48,68.13) ; v3(53.92,62.65) 53.92,58.68 53.65,58.41 52.75,58.41 51.85,57.51 51.62,57.51 50.7,56.59 50.25,56.59 49.86,56.2 49.86,55.15
  FC1 w0.08: v3(66.04,86.06) 66.04,90.86 v1(66.09,90.91) ; v3(63.48,68.13) 63.48,70.84 61.59,72.73 61.59,80.36 v3(61.46,80.49) ; v3(55.55,68.46) 55.44,68.35 55.44,63.01 55.08,62.65 v3(53.92,62.65)
  BC1 w0.08: v7(66.1,93.37) 66.09,93.36 v1(66.09,90.91)
Bowman_CLK: length 52.8
  FC2 w0.08: v1(42.83,35.58) 42.83,35.53
  FC2 w0.3: v1(42.83,35.58) 42.84,35.57 U21.40
  IC1 w0.08: v1(42.83,35.58) 42.31,36.1 41.4,36.1 40.72,36.78 17.63,36.78 17.56,36.85 v1(16.73,36.85)
  IC4 w0.08: v1(16.96,58.42) 16.96,54.93 16.22,54.19 16.22,43.46 17.17,42.51 17.17,37.29 v1(16.73,36.85)
  BC2 w0.08: v1(16.96,58.42) 16.98,58.4
  BC2 w0.2: 16.98,58.4 R340.2
